# Altium PCB amaya.PcbDoc (part 1 of 2)
Units mm, origin at the board's own origin, x right, y up, seen from the top; angles counter-clockwise.
Board outline 275 x 150 mm, 2 copper layers (Top Layer, Bottom Layer), stack 1.214 mm thick; 156 components, 0 nets, 312 pads, 0 vias.
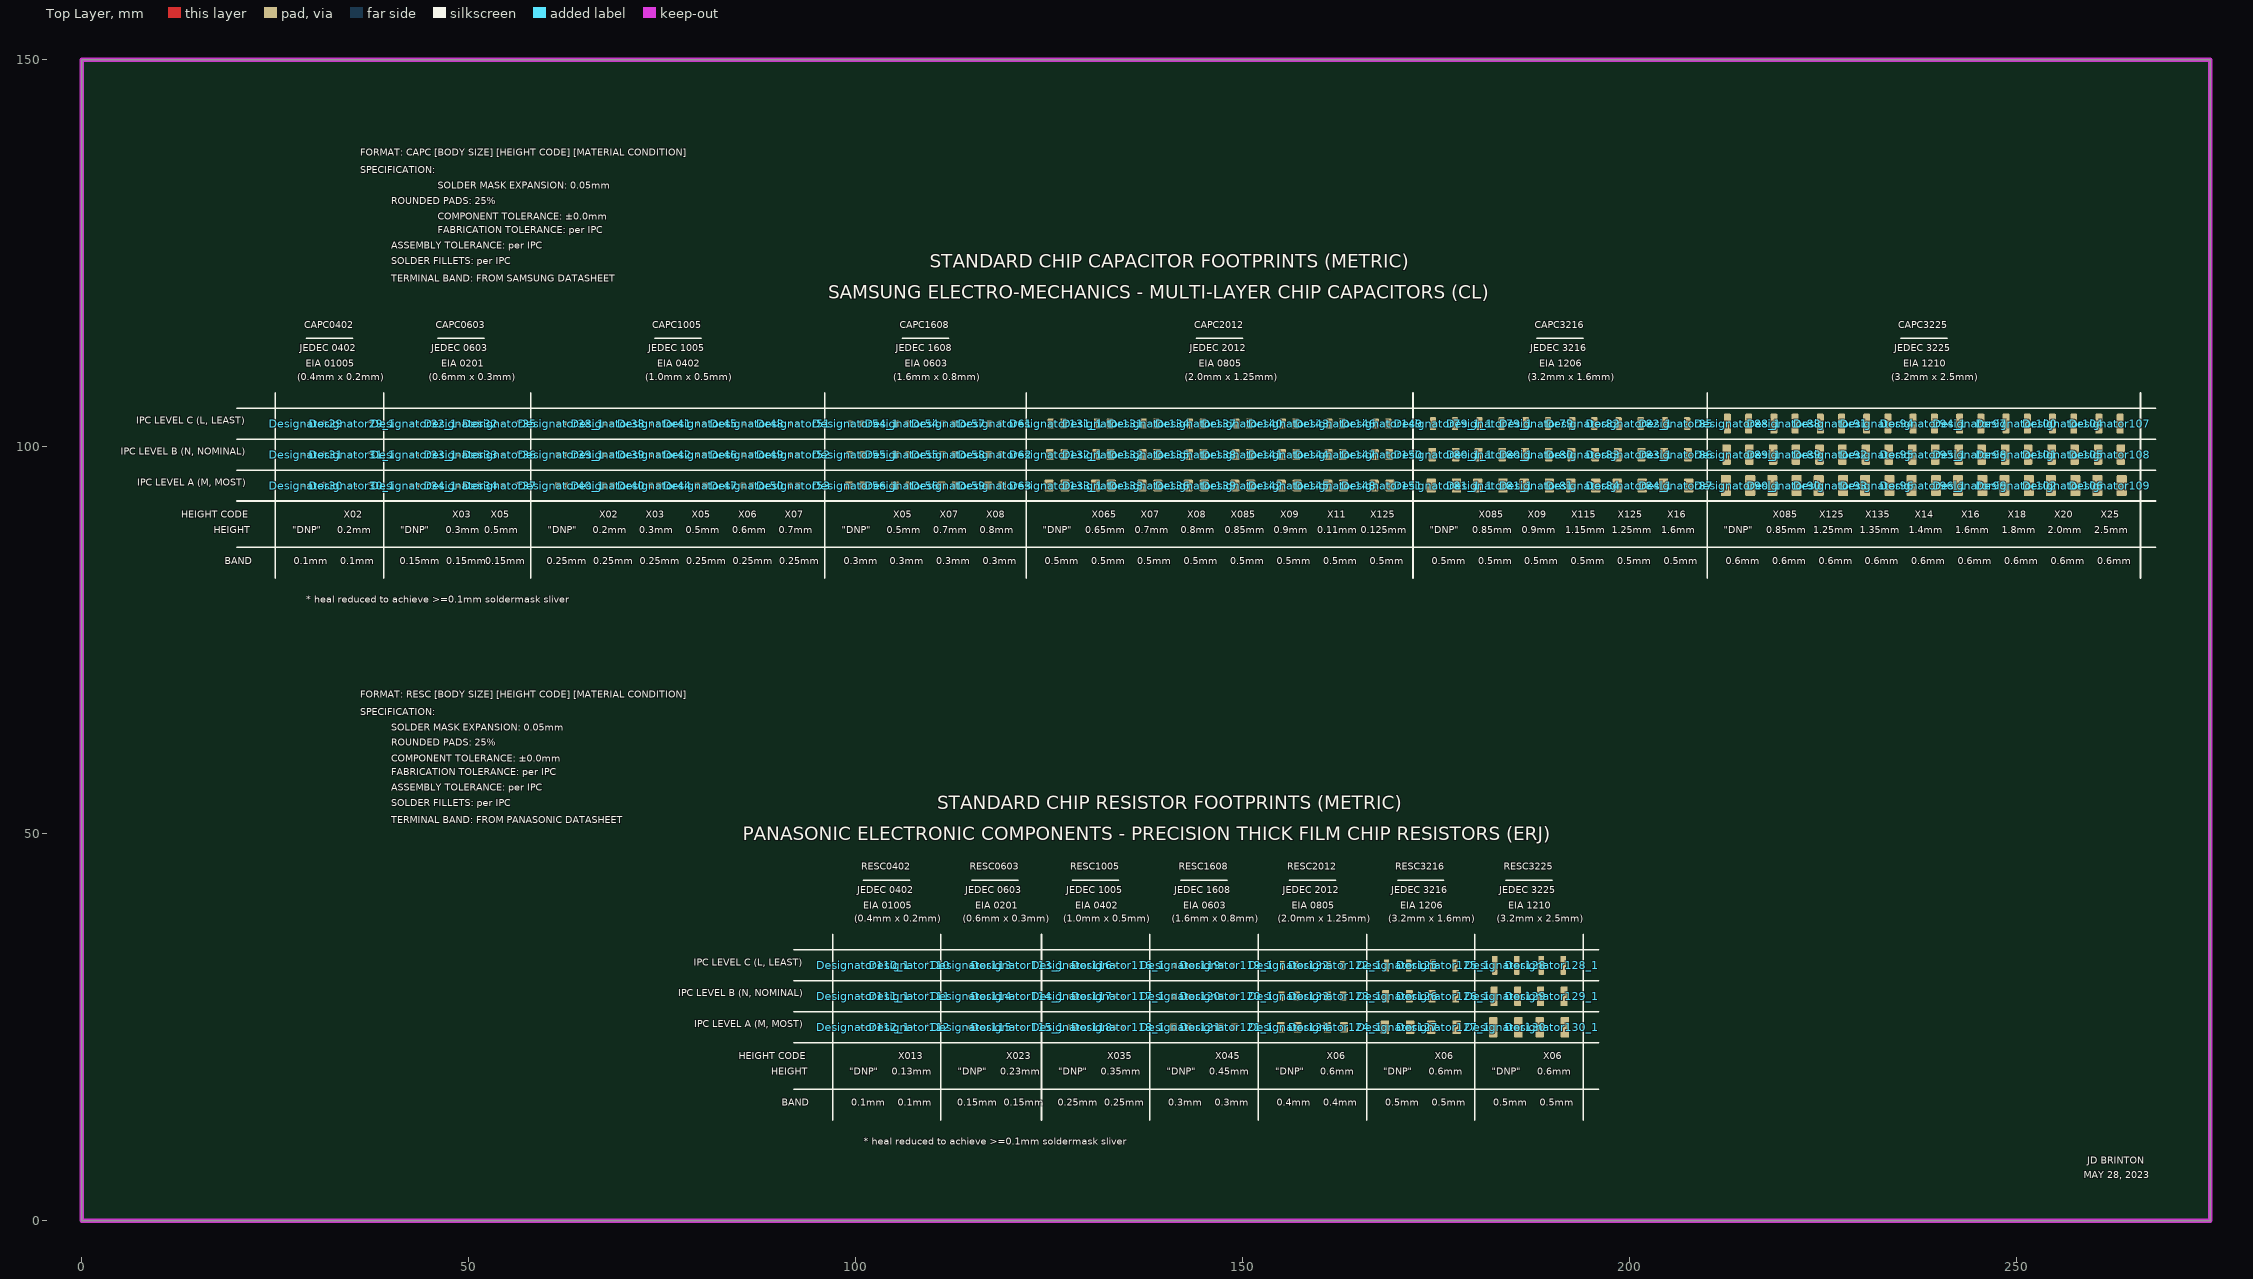
[diagram p0: Top Layer view]
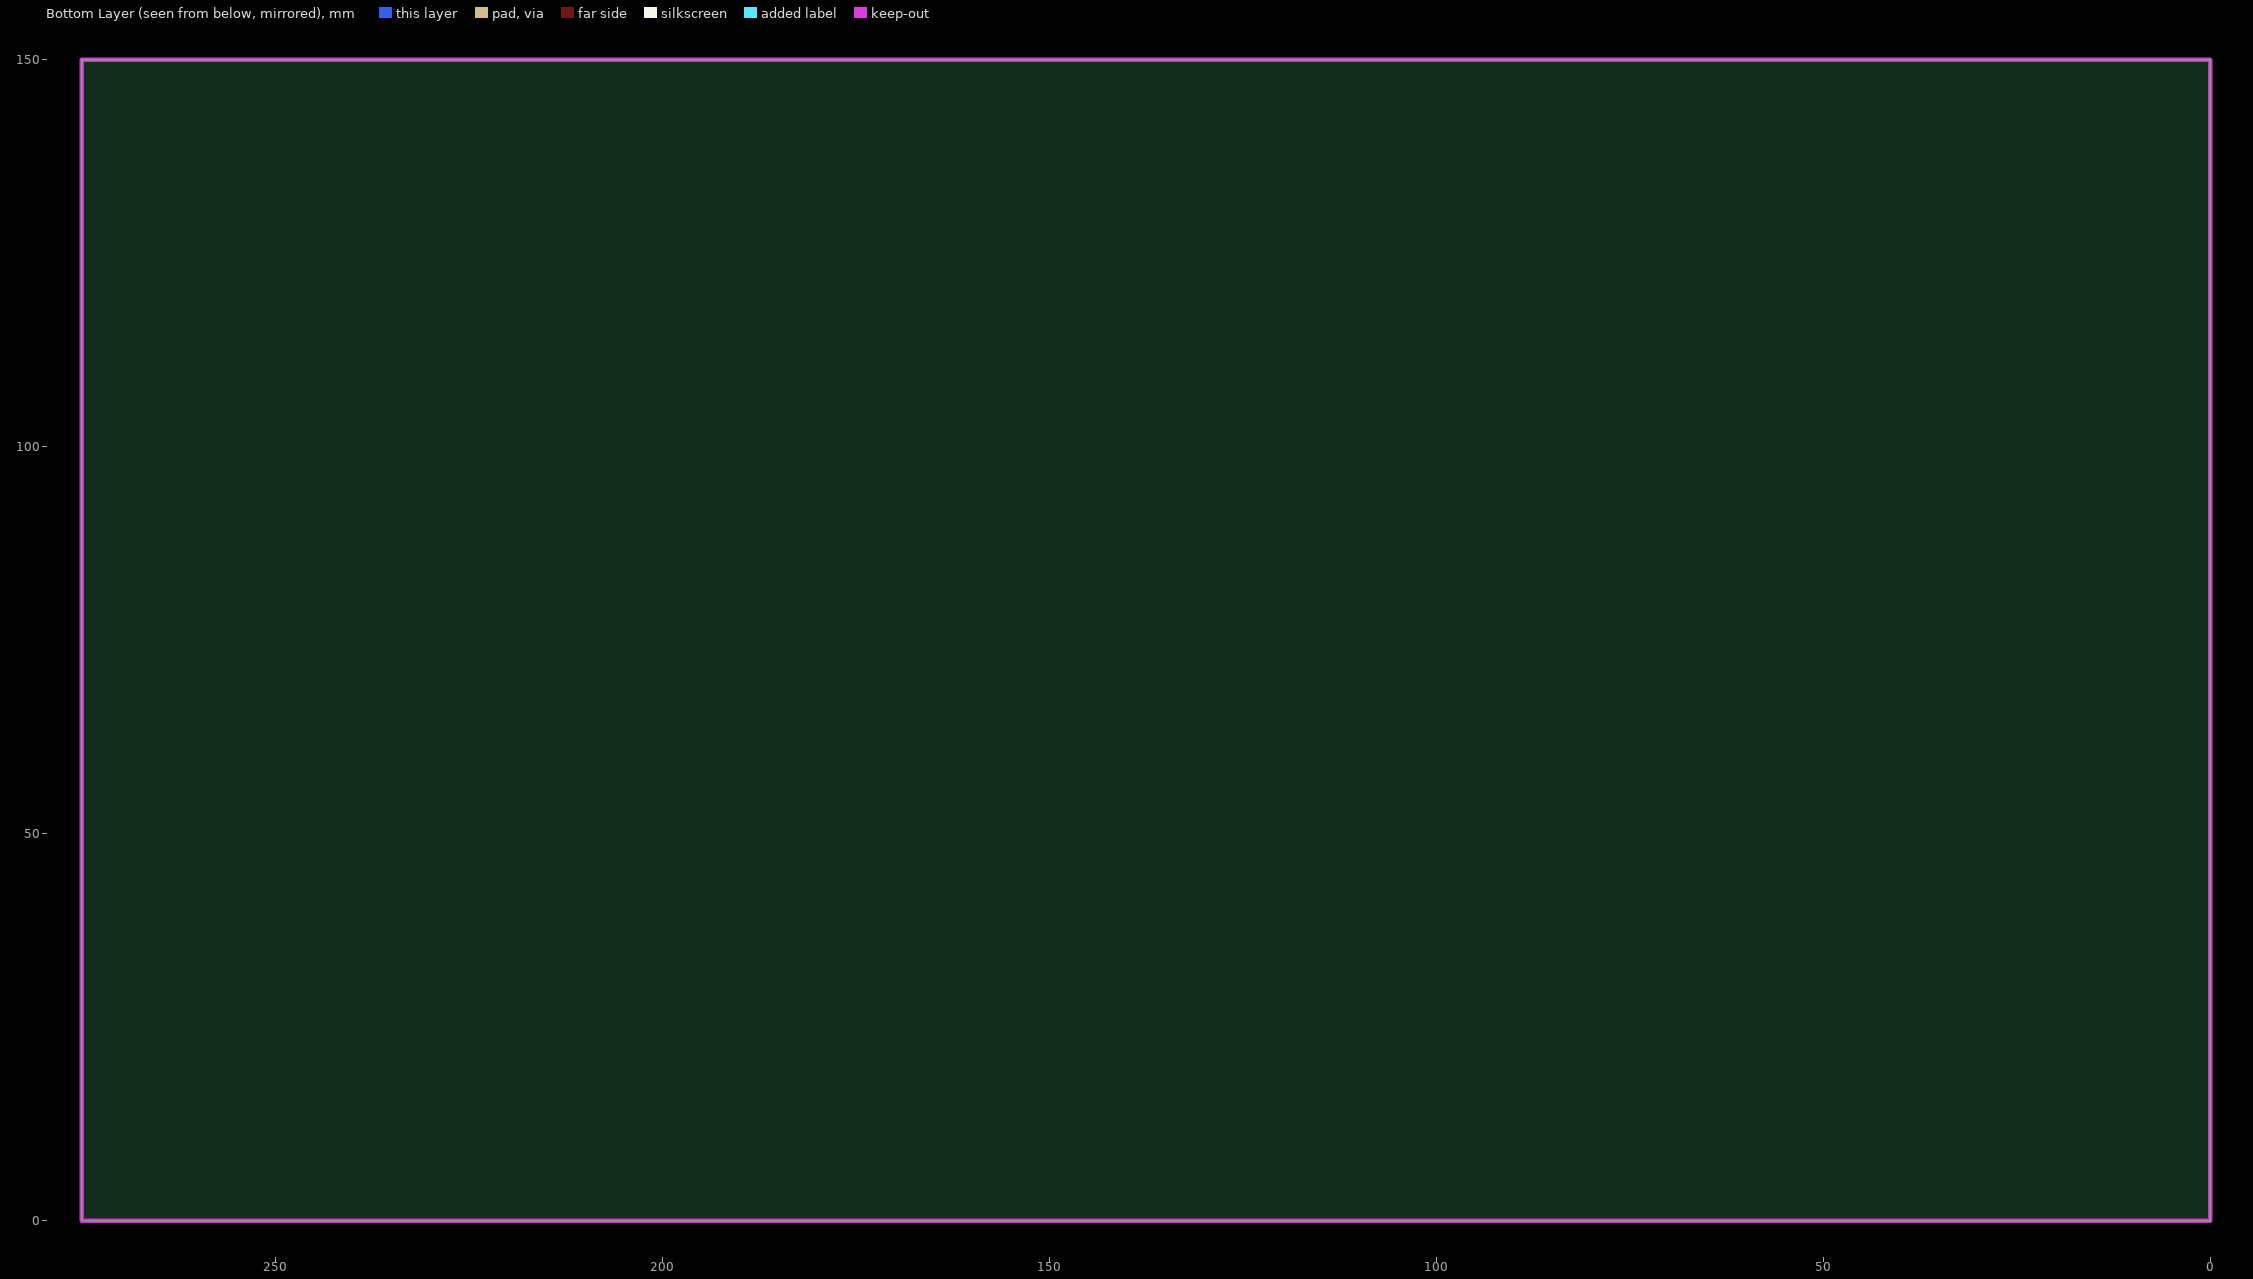
[diagram p1: Bottom Layer view, seen from below]

## Layer stack, top to bottom
Top Solder: solder mask 0.0102, Solder Resist, Dk 3.5
Top Layer: signal copper 0.0356
Dielectric1: core 1.143, FR-4, Dk 4.8
Bottom Layer: signal copper 0.0356
Bottom Solder: solder mask 0.0102, Solder Resist, Dk 3.5

## Board outline
0,0 0,150 275,150 275,0

## Design rules (kind name [scope] priority, off if disabled: settings)
Clearance [All] p1: gap=0.1 ignorepadtopadclearanceinfootprint=FALSE
HoleSize [All] p1: absolutevalues=TRUE maxlimit=25.4 minlimit=0.254 maxpercent=80.000 minpercent=20.000
MinimumAnnularRing [All] p1: minimumring=0.127
MinimumSolderMaskSliver [All] p1: minsoldermaskwidth=0.1
PolygonConnect [All] p1: connectstyle=Direct reliefconductorwidth=0.254 reliefentries=4 polygonreliefangle="90 Angle" airgapwidth=0.254
RoutingVias [All] p1: holewidth=0.254 width=0.508 viastyle="Through Hole" minholewidth=0.254 minwidth=0.508 maxholewidth=0.711 maxwidth=1.27
SilkToSilkClearance [All] p1: silktosilkclearance=0.1
SilkToSolderMaskClearance SilkscreenOverComponentPads [IsPad] p1: minsilkscreentomaskgap=0.1 clearancetoexposedcopper=TRUE
SolderMaskExpansion [All] p1: expansion=0.05 istentingtop=FALSE
Width [All] p1: maxlimit=500 minlimit=0.1 preferedwidth=0.1
26 further rules are at their usual default settings.

## Components (designator, comment, footprint, x,y, rotation, side; value= is the part's Value field where it differs from the comment)
Designator29 "Comment" CAPC0402L 29,103 r0 top
Designator29_1 "Comment" CAPC0402X02L 35,103 r0 top
Designator30 "Comment" CAPC0402M 29,95 r0 top
Designator30_1 "Comment" CAPC0402X02M 35,95 r0 top
Designator31 "Comment" CAPC0402N 29,99 r0 top
Designator31_1 "Comment" CAPC0402X02N 35,99 r0 top
Designator32 "Comment" CAPC0603X03L 49,103 r0 top
Designator32_1 "Comment" CAPC0603L 43,103 r0 top
Designator33 "Comment" CAPC0603X03N 49,99 r0 top
Designator33_1 "Comment" CAPC0603N 43,99 r0 top
Designator34 "Comment" CAPC0603X03M 49,95 r0 top
Designator34_1 "Comment" CAPC0603M 43,95 r0 top
Designator35 "Comment" CAPC0603X05L 54,103 r0 top
Designator36 "Comment" CAPC0603X05N 54,99 r0 top
Designator37 "Comment" CAPC0603X05M 54,95 r0 top
Designator38 "Comment" CAPC1005X02L 68,103 r0 top
Designator38_1 "Comment" CAPC1005L 62,103 r0 top
Designator39 "Comment" CAPC1005X02N 68,99 r0 top
Designator39_1 "Comment" CAPC1005N 62,99 r0 top
Designator40 "Comment" CAPC1005X02M 68,95 r0 top
Designator40_1 "Comment" CAPC1005M 62,95 r0 top
Designator41 "Comment" CAPC1005X03L 74,103 r0 top
Designator42 "Comment" CAPC1005X03N 74,99 r0 top
Designator44 "Comment" CAPC1005X03M 74,95 r0 top
Designator45 "Comment" CAPC1005X05L 80,103 r0 top
Designator46 "Comment" CAPC1005X05N 80,99 r0 top
Designator47 "Comment" CAPC1005X05M 80,95 r0 top
Designator48 "Comment" CAPC1005X06L 86,103 r0 top
Designator49 "Comment" CAPC1005X06N 86,99 r0 top
Designator50 "Comment" CAPC1005X06M 86,95 r0 top
Designator51 "Comment" CAPC1005X07L 92,103 r0 top
Designator52 "Comment" CAPC1005X07N 92,99 r0 top
Designator53 "Comment" CAPC1005X07M 92,95 r0 top
Designator54 "Comment" CAPC1608X05L 106,103 r0 top
Designator54_1 "Comment" CAPC1608L 100.029,102.992 r0 top
Designator55 "Comment" CAPC1608X05N 106,99 r0 top
Designator55_1 "Comment" CAPC1608N 100.029,98.992 r0 top
Designator56 "Comment" CAPC1608X05M 106,95 r0 top
Designator56_1 "Comment" CAPC1608M 100.029,94.992 r0 top
Designator57 "Comment" CAPC1608X07L 112,103 r0 top
Designator58 "Comment" CAPC1608X07N 112,99 r0 top
Designator59 "Comment" CAPC1608X07M 112,95 r0 top
Designator61 "Comment" CAPC1608X08L 118,103 r0 top
Designator62 "Comment" CAPC1608X08N 118,99 r0 top
Designator63 "Comment" CAPC1608X08M 118,95 r0 top
Designator79 "Comment" CAPC3216X09L 188,103 r0 top
Designator79_1 "Comment" CAPC3216X085L 182,103 r0 top
Designator79_1_1 "Comment" CAPC3216L 176,103 r0 top
Designator80 "Comment" CAPC3216X09N 188,99 r0 top
Designator80_1 "Comment" CAPC3216X085N 182,99 r0 top
Designator80_1_1 "Comment" CAPC3216N 176,99 r0 top
Designator81 "Comment" CAPC3216X09M 188,95 r0 top
Designator81_1 "Comment" CAPC3216X085M 182,95 r0 top
Designator81_1_1 "Comment" CAPC3216M 176,95 r0 top
Designator82 "Comment" CAPC3216X115L 194,103 r0 top
Designator82_1 "Comment" CAPC3216X125L 200,103 r0 top
Designator83 "Comment" CAPC3216X115N 194,99 r0 top
Designator83_1 "Comment" CAPC3216X125N 200,99 r0 top
Designator84 "Comment" CAPC3216X115M 194,95 r0 top
Designator84_1 "Comment" CAPC3216X125M 200,95 r0 top
Designator85 "Comment" CAPC3216X16L 206,103 r0 top
Designator86 "Comment" CAPC3216X16N 206,99 r0 top
Designator87 "Comment" CAPC3216X16M 206,95 r0 top
Designator88 "Comment" CAPC3225X085L 220,103 r0 top
Designator88_1 "Comment" CAPC3225L 214,103 r0 top
Designator89 "Comment" CAPC3225X085N 220,99 r0 top
Designator89_1 "Comment" CAPC3225N 214,99 r0 top
Designator90 "Comment" CAPC3225X085M 220,95 r0 top
Designator90_1 "Comment" CAPC3225M 214,95 r0 top
Designator91 "Comment" CAPC3225X125L 226,103 r0 top
Designator92 "Comment" CAPC3225X125N 226,99 r0 top
Designator93 "Comment" CAPC3225X125M 226,95 r0 top
Designator94 "Comment" CAPC3225X135L 232,103 r0 top
Designator94_1 "Comment" CAPC3225X14L 238,103 r0 top
Designator95 "Comment" CAPC3225X135N 232,99 r0 top
Designator95_1 "Comment" CAPC3225X14N 238,99 r0 top
Designator96 "Comment" CAPC3225X135M 232,95 r0 top
Designator96_1 "Comment" CAPC3225X14M 238,95 r0 top
Designator97 "Comment" CAPC3225X16L 244,103 r0 top
Designator98 "Comment" CAPC3225X16N 244,99 r0 top
Designator99 "Comment" CAPC3225X16M 244,95 r0 top
Designator100 "Comment" CAPC3225X18L 250,103 r0 top
Designator101 "Comment" CAPC3225X18N 250,99 r0 top
Designator102 "Comment" CAPC3225X18M 250,95 r0 top
Designator104 "Comment" CAPC3225X20L 256,103 r0 top
Designator105 "Comment" CAPC3225X20N 256,99 r0 top
Designator106 "Comment" CAPC3225X20M 256,95 r0 top
Designator107 "Comment" CAPC3225X25L 262,103 r0 top
Designator108 "Comment" CAPC3225X25N 262,99 r0 top
Designator109 "Comment" CAPC3225X25M 262,95 r0 top
Designator110 "Comment" RESC0402X013L 107,33 r0 top
Designator110_1 "Comment" RESC0402L 101,33 r0 top
Designator111 "Comment" RESC0402X013N 107,29 r0 top
Designator111_1 "Comment" RESC0402N 101,29 r0 top
Designator112 "Comment" RESC0402X013M 107,25 r0 top
Designator112_1 "Comment" RESC0402M 101,25 r0 top
Designator113 "Comment" RESC0603L 115,33 r0 top
Designator113_1 "Comment" RESC0603X023L 121,33 r0 top
Designator114 "Comment" RESC0603N 115,29 r0 top
Designator114_1 "Comment" RESC0603X023N 121,29 r0 top
Designator115 "Comment" RESC0603M 115,25 r0 top
Designator115_1 "Comment" RESC0603X023M 121,25 r0 top
Designator116 "Comment" RESC1005L 128,33 r0 top
Designator116_1 "Comment" RESC1005X035L 134,33 r0 top
Designator117 "Comment" RESC1005N 128,29 r0 top
Designator117_1 "Comment" RESC1005X035N 134,29 r0 top
Designator118 "Comment" RESC1005M 128,25 r0 top
Designator118_1 "Comment" RESC1005X035M 134,25 r0 top
Designator119 "Comment" RESC1608L 142,33 r0 top
Designator119_1 "Comment" RESC1608X045L 148,33 r0 top
Designator120 "Comment" RESC1608N 142,29 r0 top
Designator120_1 "Comment" RESC1608X045N 148,29 r0 top
Designator121 "Comment" RESC1608M 142,25 r0 top
Designator121_1 "Comment" RESC1608X045M 148,25 r0 top
Designator122 "Comment" RESC2012L 156,33 r0 top
Designator122_1 "Comment" RESC2012X06L 162,33 r0 top
Designator123 "Comment" RESC2012N 156,29 r0 top
Designator123_1 "Comment" RESC2012X06N 162,29 r0 top
Designator124 "Comment" RESC2012M 156,25 r0 top
Designator124_1 "Comment" RESC2012X06M 162,25 r0 top
Designator125 "Comment" RESC3216L 170,33 r0 top
Designator125_1 "Comment" RESC3216X06L 176,33 r0 top
Designator126 "Comment" RESC3216N 170,29 r0 top
Designator126_1 "Comment" RESC3216X06N 176,29 r0 top
Designator127 "Comment" RESC3216M 170,25 r0 top
Designator127_1 "Comment" RESC3216X06M 176,25 r0 top
Designator128 "Comment" RESC3225L 184,33 r0 top
Designator128_1 "Comment" RESC3225X06L 190,33 r0 top
Designator129 "Comment" RESC3225N 184,29 r0 top
Designator129_1 "Comment" RESC3225X06N 190,29 r0 top
Designator130 "Comment" RESC3225M 184,25 r0 top
Designator130_1 "Comment" RESC3225X06M 190,25 r0 top
Designator131 "Comment" CAPC2012X065L 132,103 r0 top
Designator131_1 "Comment" CAPC2012L 126,103 r0 top
Designator132 "Comment" CAPC2012X065N 132,99 r0 top
Designator132_1 "Comment" CAPC2012N 126,99 r0 top
Designator133 "Comment" CAPC2012X065M 132,95 r0 top
Designator133_1 "Comment" CAPC2012M 126,95 r0 top
Designator134 "Comment" CAPC2012X07L 138,103 r0 top
Designator135 "Comment" CAPC2012X07N 138,99 r0 top
Designator136 "Comment" CAPC2012X07M 138,95 r0 top
Designator137 "Comment" CAPC2012X08L 144,103 r0 top
Designator138 "Comment" CAPC2012X08N 144,99 r0 top
Designator139 "Comment" CAPC2012X08M 144,95 r0 top
Designator140 "Comment" CAPC2012X085L 150,103 r0 top
Designator141 "Comment" CAPC2012X085N 150,99 r0 top
Designator142 "Comment" CAPC2012X085M 150,95 r0 top
Designator143 "Comment" CAPC2012X09L 156,103 r0 top
Designator144 "Comment" CAPC2012X09N 156,99 r0 top
Designator145 "Comment" CAPC2012X09M 156,95 r0 top
Designator146 "Comment" CAPC2012X11L 162,103 r0 top
Designator147 "Comment" CAPC2012X11N 162,99 r0 top
Designator148 "Comment" CAPC2012X11M 162,95 r0 top
Designator149 "Comment" CAPC2012X125L 168,103 r0 top
Designator150 "Comment" CAPC2012X125N 168,99 r0 top
Designator151 "Comment" CAPC2012X125M 168,95 r0 top

## Footprints (in the part's own frame and the unit in brackets; to place one, negate y for a bottom-side part, rotate by r counter-clockwise, add the part's x,y. Pads: shape width x height; smd on the part's side, far side on the other; paste and mask are expansions set on the pad)
CAPC0402L [mm] "Chip Capacitor, 2-Leads, Body 0.40x0.20mm, IPC High Density"
  rrect25% 0.27x0.24 smd paste-0.12 mask+0.05: 1(-0.235,0) 2(0.235,0)
CAPC0402M [mm] "Chip Capacitor, 2-Leads, Body 0.40x0.20mm, IPC Low Density"
  rrect25% 0.47x0.44 smd paste-0.22 mask+0.05: 1(-0.335,0) 2(0.335,0)
CAPC0402N [mm] "Chip Capacitor, 2-Leads, Body 0.40x0.20mm, IPC Medium Density"
  rrect25% 0.37x0.34 smd paste-0.17 mask+0.05: 1(-0.285,0) 2(0.285,0)
CAPC0402X02L [mm] "Chip Capacitor, 2-Leads, Body 0.40x0.20mm, IPC High Density"
  rrect25% 0.27x0.24 smd mask+0.05: 1(-0.235,0) 2(0.235,0)
  body extent -0.2,-0.1 0.2,0.1, height 0.2
CAPC0402X02M [mm] "Chip Capacitor, 2-Leads, Body 0.40x0.20mm, IPC Low Density"
  rrect25% 0.47x0.44 smd mask+0.05: 1(-0.335,0) 2(0.335,0)
  body extent -0.2,-0.1 0.2,0.1, height 0.2
CAPC0402X02N [mm] "Chip Capacitor, 2-Leads, Body 0.40x0.20mm, IPC Medium Density"
  rrect25% 0.37x0.34 smd mask+0.05: 1(-0.285,0) 2(0.285,0)
  body extent -0.2,-0.1 0.2,0.1, height 0.2
CAPC0603L [mm] "Chip Capacitor, 2-Leads, Body 0.60x0.30mm, IPC High Density"
  rrect25% 0.38x0.34 smd paste-0.17 mask+0.05: 1(-0.29,0) 2(0.29,0)
CAPC0603M [mm] "Chip Capacitor, 2-Leads, Body 0.60x0.30mm, IPC Low Density"
  rrect25% 0.58x0.54 smd paste-0.27 mask+0.05: 1(-0.39,0) 2(0.39,0)
CAPC0603N [mm] "Chip Capacitor, 2-Leads, Body 0.60x0.30mm, IPC Medium Density"
  rrect25% 0.48x0.44 smd paste-0.22 mask+0.05: 1(-0.34,0) 2(0.34,0)
CAPC0603X03L [mm] "Chip Capacitor, 2-Leads, Body 0.60x0.30mm, IPC High Density"
  rrect25% 0.38x0.34 smd mask+0.05: 1(-0.29,0) 2(0.29,0)
  body extent -0.3,-0.15 0.3,0.15, height 0.3
CAPC0603X03M [mm] "Chip Capacitor, 2-Leads, Body 0.60x0.30mm, IPC Low Density"
  rrect25% 0.58x0.54 smd mask+0.05: 1(-0.39,0) 2(0.39,0)
  body extent -0.3,-0.15 0.3,0.15, height 0.3
CAPC0603X03N [mm] "Chip Capacitor, 2-Leads, Body 0.60x0.30mm, IPC Medium Density"
  rrect25% 0.48x0.44 smd mask+0.05: 1(-0.34,0) 2(0.34,0)
  body extent -0.3,-0.15 0.3,0.15, height 0.3
CAPC0603X05L [mm] "Chip Capacitor, 2-Leads, Body 0.60x0.30mm, IPC High Density"
  rrect25% 0.38x0.34 smd mask+0.05: 1(-0.29,0) 2(0.29,0)
  body extent -0.3,-0.15 0.3,0.15, height 0.5
CAPC0603X05M [mm] "Chip Capacitor, 2-Leads, Body 0.60x0.30mm, IPC Low Density"
  rrect25% 0.58x0.54 smd mask+0.05: 1(-0.39,0) 2(0.39,0)
  body extent -0.3,-0.15 0.3,0.15, height 0.5
CAPC0603X05N [mm] "Chip Capacitor, 2-Leads, Body 0.60x0.30mm, IPC Medium Density"
  rrect25% 0.48x0.44 smd mask+0.05: 1(-0.34,0) 2(0.34,0)
  body extent -0.3,-0.15 0.3,0.15, height 0.5
CAPC1005L [mm] "Chip Capacitor, 2-Leads, Body 1.00x0.50mm, IPC High Density"
  rrect25% 0.5x0.54 smd paste-0.25 mask+0.05: 1(-0.43,0) 2(0.43,0)
CAPC1005M [mm] "Chip Capacitor, 2-Leads, Body 1.00x0.50mm, IPC Low Density"
  rrect25% 0.7x0.74 smd paste-0.35 mask+0.05: 1(-0.53,0) 2(0.53,0)
CAPC1005N [mm] "Chip Capacitor, 2-Leads, Body 1.00x0.50mm, IPC Medium Density"
  rrect25% 0.6x0.64 smd paste-0.3 mask+0.05: 1(-0.48,0) 2(0.48,0)
CAPC1005X02L [mm] "Chip Capacitor, 2-Leads, Body 1.00x0.50mm, IPC High Density"
  rrect25% 0.5x0.54 smd mask+0.05: 1(-0.43,0) 2(0.43,0)
  body extent -0.5,-0.25 0.5,0.25, height 0.2
CAPC1005X02M [mm] "Chip Capacitor, 2-Leads, Body 1.00x0.50mm, IPC Low Density"
  rrect25% 0.7x0.74 smd mask+0.05: 1(-0.53,0) 2(0.53,0)
  body extent -0.5,-0.25 0.5,0.25, height 0.2
CAPC1005X02N [mm] "Chip Capacitor, 2-Leads, Body 1.00x0.50mm, IPC Medium Density"
  rrect25% 0.6x0.64 smd mask+0.05: 1(-0.48,0) 2(0.48,0)
  body extent -0.5,-0.25 0.5,0.25, height 0.2
CAPC1005X03L [mm] "Chip Capacitor, 2-Leads, Body 1.00x0.50mm, IPC High Density"
  rrect25% 0.5x0.54 smd mask+0.05: 1(-0.43,0) 2(0.43,0)
  body extent -0.5,-0.25 0.5,0.25, height 0.3
CAPC1005X03M [mm] "Chip Capacitor, 2-Leads, Body 1.00x0.50mm, IPC Low Density"
  rrect25% 0.7x0.74 smd mask+0.05: 1(-0.53,0) 2(0.53,0)
  body extent -0.5,-0.25 0.5,0.25, height 0.3
CAPC1005X03N [mm] "Chip Capacitor, 2-Leads, Body 1.00x0.50mm, IPC Medium Density"
  rrect25% 0.6x0.64 smd mask+0.05: 1(-0.48,0) 2(0.48,0)
  body extent -0.5,-0.25 0.5,0.25, height 0.3
CAPC1005X05L [mm] "Chip Capacitor, 2-Leads, Body 1.00x0.50mm, IPC High Density"
  rrect25% 0.5x0.54 smd mask+0.05: 1(-0.43,0) 2(0.43,0)
  body extent -0.5,-0.25 0.5,0.25, height 0.5
CAPC1005X05M [mm] "Chip Capacitor, 2-Leads, Body 1.00x0.50mm, IPC Low Density"
  rrect25% 0.7x0.74 smd mask+0.05: 1(-0.53,0) 2(0.53,0)
  body extent -0.5,-0.25 0.5,0.25, height 0.5
CAPC1005X05N [mm] "Chip Capacitor, 2-Leads, Body 1.00x0.50mm, IPC Medium Density"
  rrect25% 0.6x0.64 smd mask+0.05: 1(-0.48,0) 2(0.48,0)
  body extent -0.5,-0.25 0.5,0.25, height 0.5
CAPC1005X06L [mm] "Chip Capacitor, 2-Leads, Body 1.00x0.50mm, IPC High Density"
  rrect25% 0.5x0.54 smd mask+0.05: 1(-0.43,0) 2(0.43,0)
  body extent -0.5,-0.25 0.5,0.25, height 0.6
CAPC1005X06M [mm] "Chip Capacitor, 2-Leads, Body 1.00x0.50mm, IPC Low Density"
  rrect25% 0.7x0.74 smd mask+0.05: 1(-0.53,0) 2(0.53,0)
  body extent -0.5,-0.25 0.5,0.25, height 0.6
CAPC1005X06N [mm] "Chip Capacitor, 2-Leads, Body 1.00x0.50mm, IPC Medium Density"
  rrect25% 0.6x0.64 smd mask+0.05: 1(-0.48,0) 2(0.48,0)
  body extent -0.5,-0.25 0.5,0.25, height 0.6
CAPC1005X07L [mm] "Chip Capacitor, 2-Leads, Body 1.00x0.50mm, IPC High Density"
  rrect25% 0.5x0.54 smd mask+0.05: 1(-0.43,0) 2(0.43,0)
  body extent -0.5,-0.25 0.5,0.25, height 0.7
CAPC1005X07M [mm] "Chip Capacitor, 2-Leads, Body 1.00x0.50mm, IPC Low Density"
  rrect25% 0.7x0.74 smd mask+0.05: 1(-0.53,0) 2(0.53,0)
  body extent -0.5,-0.25 0.5,0.25, height 0.7
CAPC1005X07N [mm] "Chip Capacitor, 2-Leads, Body 1.00x0.50mm, IPC Medium Density"
  rrect25% 0.6x0.64 smd mask+0.05: 1(-0.48,0) 2(0.48,0)
  body extent -0.5,-0.25 0.5,0.25, height 0.7
CAPC1608L [mm] "Chip Capacitor, 2-Leads, Body 1.60x0.80mm, IPC High Density"
  rrect25% 0.6x0.85 smd paste-0.3 mask+0.05: 1(-0.725,0) 2(0.725,0)
CAPC1608M [mm] "Chip Capacitor, 2-Leads, Body 1.60x0.80mm, IPC Low Density"
  rrect25% 1x1.05 smd paste-0.5 mask+0.05: 1(-0.925,0) 2(0.925,0)
CAPC1608N [mm] "Chip Capacitor, 2-Leads, Body 1.60x0.80mm, IPC Medium Density"
  rrect25% 0.8x0.95 smd paste-0.4 mask+0.05: 1(-0.825,0) 2(0.825,0)
CAPC1608X05L [mm] "Chip Capacitor, 2-Leads, Body 1.60x0.80mm, IPC High Density"
  rrect25% 0.6x0.85 smd mask+0.05: 1(-0.725,0) 2(0.725,0)
  body extent -0.8,-0.4 0.8,0.4, height 0.5
CAPC1608X05M [mm] "Chip Capacitor, 2-Leads, Body 1.60x0.80mm, IPC Low Density"
  rrect25% 1x1.05 smd mask+0.05: 1(-0.925,0) 2(0.925,0)
  body extent -0.8,-0.4 0.8,0.4, height 0.5
CAPC1608X05N [mm] "Chip Capacitor, 2-Leads, Body 1.60x0.80mm, IPC Medium Density"
  rrect25% 0.8x0.95 smd mask+0.05: 1(-0.825,0) 2(0.825,0)
  body extent -0.8,-0.4 0.8,0.4, height 0.5
CAPC1608X07L [mm] "Chip Capacitor, 2-Leads, Body 1.60x0.80mm, IPC High Density"
  rrect25% 0.6x0.85 smd mask+0.05: 1(-0.725,0) 2(0.725,0)
  body extent -0.8,-0.4 0.8,0.4, height 0.7
CAPC1608X07M [mm] "Chip Capacitor, 2-Leads, Body 1.60x0.80mm, IPC Low Density"
  rrect25% 1x1.05 smd mask+0.05: 1(-0.925,0) 2(0.925,0)
  body extent -0.8,-0.4 0.8,0.4, height 0.7
CAPC1608X07N [mm] "Chip Capacitor, 2-Leads, Body 1.60x0.80mm, IPC Medium Density"
  rrect25% 0.8x0.95 smd mask+0.05: 1(-0.825,0) 2(0.825,0)
  body extent -0.8,-0.4 0.8,0.4, height 0.7
CAPC1608X08L [mm] "Chip Capacitor, 2-Leads, Body 1.60x0.80mm, IPC High Density"
  rrect25% 0.6x0.85 smd mask+0.05: 1(-0.725,0) 2(0.725,0)
  body extent -0.8,-0.4 0.8,0.4, height 0.8
CAPC1608X08M [mm] "Chip Capacitor, 2-Leads, Body 1.60x0.80mm, IPC Low Density"
  rrect25% 1x1.05 smd mask+0.05: 1(-0.925,0) 2(0.925,0)
  body extent -0.8,-0.4 0.8,0.4, height 0.8
CAPC1608X08N [mm] "Chip Capacitor, 2-Leads, Body 1.60x0.80mm, IPC Medium Density"
  rrect25% 0.8x0.95 smd mask+0.05: 1(-0.825,0) 2(0.825,0)
  body extent -0.8,-0.4 0.8,0.4, height 0.8
CAPC2012L [mm] "Chip Capacitor, 2-Leads, Body 2.00x1.25mm, IPC High Density"
  rrect25% 0.8x1.3 smd paste-0.4 mask+0.05: 1(-0.825,0) 2(0.825,0)
CAPC2012M [mm] "Chip Capacitor, 2-Leads, Body 2.00x1.25mm, IPC Low Density"
  rrect25% 1.2x1.5 smd paste-0.6 mask+0.05: 1(-1.025,0) 2(1.025,0)
CAPC2012N [mm] "Chip Capacitor, 2-Leads, Body 2.00x1.25mm, IPC Medium Density"
  rrect25% 1x1.4 smd paste-0.5 mask+0.05: 1(-0.925,0) 2(0.925,0)
CAPC2012X07L [mm] "Chip Capacitor, 2-Leads, Body 2.00x1.25mm, IPC High Density"
  rrect25% 0.8x1.3 smd mask+0.05: 1(-0.825,0) 2(0.825,0)
  body extent -1,-0.63 1,0.63, height 0.7
CAPC2012X07M [mm] "Chip Capacitor, 2-Leads, Body 2.00x1.25mm, IPC Low Density"
  rrect25% 1.2x1.5 smd mask+0.05: 1(-1.025,0) 2(1.025,0)
  body extent -1,-0.63 1,0.63, height 0.7
CAPC2012X07N [mm] "Chip Capacitor, 2-Leads, Body 2.00x1.25mm, IPC Medium Density"
  rrect25% 1x1.4 smd mask+0.05: 1(-0.925,0) 2(0.925,0)
  body extent -1,-0.63 1,0.63, height 0.7
CAPC2012X08L [mm] "Chip Capacitor, 2-Leads, Body 2.00x1.25mm, IPC High Density"
  rrect25% 0.8x1.3 smd mask+0.05: 1(-0.825,0) 2(0.825,0)
  body extent -1,-0.63 1,0.63, height 0.8
CAPC2012X08M [mm] "Chip Capacitor, 2-Leads, Body 2.00x1.25mm, IPC Low Density"
  rrect25% 1.2x1.5 smd mask+0.05: 1(-1.025,0) 2(1.025,0)
  body extent -1,-0.63 1,0.63, height 0.8
CAPC2012X08N [mm] "Chip Capacitor, 2-Leads, Body 2.00x1.25mm, IPC Medium Density"
  rrect25% 1x1.4 smd mask+0.05: 1(-0.925,0) 2(0.925,0)
  body extent -1,-0.63 1,0.63, height 0.8
CAPC2012X09L [mm] "Chip Capacitor, 2-Leads, Body 2.00x1.25mm, IPC High Density"
  rrect25% 0.8x1.3 smd mask+0.05: 1(-0.825,0) 2(0.825,0)
  body extent -1,-0.63 1,0.63, height 0.9
CAPC2012X09M [mm] "Chip Capacitor, 2-Leads, Body 2.00x1.25mm, IPC Low Density"
  rrect25% 1.2x1.5 smd mask+0.05: 1(-1.025,0) 2(1.025,0)
  body extent -1,-0.63 1,0.63, height 0.9
CAPC2012X09N [mm] "Chip Capacitor, 2-Leads, Body 2.00x1.25mm, IPC Medium Density"
  rrect25% 1x1.4 smd mask+0.05: 1(-0.925,0) 2(0.925,0)
  body extent -1,-0.63 1,0.63, height 0.9
CAPC2012X11L [mm] "Chip Capacitor, 2-Leads, Body 2.00x1.25mm, IPC High Density"
  rrect25% 0.8x1.3 smd mask+0.05: 1(-0.825,0) 2(0.825,0)
  body extent -1,-0.63 1,0.63, height 1.1
CAPC2012X11M [mm] "Chip Capacitor, 2-Leads, Body 2.00x1.25mm, IPC Low Density"
  rrect25% 1.2x1.5 smd mask+0.05: 1(-1.025,0) 2(1.025,0)
  body extent -1,-0.63 1,0.63, height 1.1
CAPC2012X11N [mm] "Chip Capacitor, 2-Leads, Body 2.00x1.25mm, IPC Medium Density"
  rrect25% 1x1.4 smd mask+0.05: 1(-0.925,0) 2(0.925,0)
  body extent -1,-0.63 1,0.63, height 1.1
CAPC2012X065L [mm] "Chip Capacitor, 2-Leads, Body 2.00x1.25mm, IPC High Density"
  rrect25% 0.8x1.3 smd mask+0.05: 1(-0.825,0) 2(0.825,0)
  body extent -1,-0.63 1,0.63, height 0.65
CAPC2012X065M [mm] "Chip Capacitor, 2-Leads, Body 2.00x1.25mm, IPC Low Density"
  rrect25% 1.2x1.5 smd mask+0.05: 1(-1.025,0) 2(1.025,0)
  body extent -1,-0.63 1,0.63, height 0.65
CAPC2012X065N [mm] "Chip Capacitor, 2-Leads, Body 2.00x1.25mm, IPC Medium Density"
  rrect25% 1x1.4 smd mask+0.05: 1(-0.925,0) 2(0.925,0)
  body extent -1,-0.63 1,0.63, height 0.65
CAPC2012X085L [mm] "Chip Capacitor, 2-Leads, Body 2.00x1.25mm, IPC High Density"
  rrect25% 0.8x1.3 smd mask+0.05: 1(-0.825,0) 2(0.825,0)
  body extent -1,-0.63 1,0.63, height 0.85
CAPC2012X085M [mm] "Chip Capacitor, 2-Leads, Body 2.00x1.25mm, IPC Low Density"
  rrect25% 1.2x1.5 smd mask+0.05: 1(-1.025,0) 2(1.025,0)
  body extent -1,-0.63 1,0.63, height 0.85
CAPC2012X085N [mm] "Chip Capacitor, 2-Leads, Body 2.00x1.25mm, IPC Medium Density"
  rrect25% 1x1.4 smd mask+0.05: 1(-0.925,0) 2(0.925,0)
  body extent -1,-0.63 1,0.63, height 0.85
CAPC2012X125L [mm] "Chip Capacitor, 2-Leads, Body 2.00x1.25mm, IPC High Density"
  rrect25% 0.8x1.3 smd mask+0.05: 1(-0.825,0) 2(0.825,0)
  body extent -1,-0.63 1,0.63, height 1.25
CAPC2012X125M [mm] "Chip Capacitor, 2-Leads, Body 2.00x1.25mm, IPC Low Density"
  rrect25% 1.2x1.5 smd mask+0.05: 1(-1.025,0) 2(1.025,0)
  body extent -1,-0.63 1,0.63, height 1.25
CAPC2012X125N [mm] "Chip Capacitor, 2-Leads, Body 2.00x1.25mm, IPC Medium Density"
  rrect25% 1x1.4 smd mask+0.05: 1(-0.925,0) 2(0.925,0)
  body extent -1,-0.63 1,0.63, height 1.25
CAPC3216L [mm] "Chip Capacitor, 2-Leads, Body 3.20x1.60mm, IPC High Density"
  rrect25% 0.8x1.65 smd paste-0.4 mask+0.05: 1(-1.425,0) 2(1.425,0)
CAPC3216M [mm] "Chip Capacitor, 2-Leads, Body 3.20x1.60mm, IPC Low Density"
  rrect25% 1.2x1.85 smd paste-0.6 mask+0.05: 1(-1.625,0) 2(1.625,0)
CAPC3216N [mm] "Chip Capacitor, 2-Leads, Body 3.20x1.60mm, IPC Medium Density"
  rrect25% 1x1.75 smd paste-0.5 mask+0.05: 1(-1.525,0) 2(1.525,0)
CAPC3216X09L [mm] "Chip Capacitor, 2-Leads, Body 3.20x1.60mm, IPC High Density"
  rrect25% 0.8x1.65 smd mask+0.05: 1(-1.425,0) 2(1.425,0)
  body extent -1.6,-0.8 1.6,0.8, height 0.9
CAPC3216X09M [mm] "Chip Capacitor, 2-Leads, Body 3.20x1.60mm, IPC Low Density"
  rrect25% 1.2x1.85 smd mask+0.05: 1(-1.625,0) 2(1.625,0)
  body extent -1.6,-0.8 1.6,0.8, height 0.9
CAPC3216X09N [mm] "Chip Capacitor, 2-Leads, Body 3.20x1.60mm, IPC Medium Density"
  rrect25% 1x1.75 smd mask+0.05: 1(-1.525,0) 2(1.525,0)
  body extent -1.6,-0.8 1.6,0.8, height 0.9
CAPC3216X16L [mm] "Chip Capacitor, 2-Leads, Body 3.20x1.60mm, IPC High Density"
  rrect25% 0.8x1.65 smd mask+0.05: 1(-1.425,0) 2(1.425,0)
  body extent -1.6,-0.8 1.6,0.8, height 1.6
CAPC3216X16M [mm] "Chip Capacitor, 2-Leads, Body 3.20x1.60mm, IPC Low Density"
  rrect25% 1.2x1.85 smd mask+0.05: 1(-1.625,0) 2(1.625,0)
  body extent -1.6,-0.8 1.6,0.8, height 1.6
CAPC3216X16N [mm] "Chip Capacitor, 2-Leads, Body 3.20x1.60mm, IPC Medium Density"
  rrect25% 1x1.75 smd mask+0.05: 1(-1.525,0) 2(1.525,0)
  body extent -1.6,-0.8 1.6,0.8, height 1.6
CAPC3216X085L [mm] "Chip Capacitor, 2-Leads, Body 3.20x1.60mm, IPC High Density"
  rrect25% 0.8x1.65 smd mask+0.05: 1(-1.425,0) 2(1.425,0)
  body extent -1.6,-0.8 1.6,0.8, height 0.85
CAPC3216X085M [mm] "Chip Capacitor, 2-Leads, Body 3.20x1.60mm, IPC Low Density"
  rrect25% 1.2x1.85 smd mask+0.05: 1(-1.625,0) 2(1.625,0)
  body extent -1.6,-0.8 1.6,0.8, height 0.85
CAPC3216X085N [mm] "Chip Capacitor, 2-Leads, Body 3.20x1.60mm, IPC Medium Density"
  rrect25% 1x1.75 smd mask+0.05: 1(-1.525,0) 2(1.525,0)
  body extent -1.6,-0.8 1.6,0.8, height 0.85
CAPC3216X115L [mm] "Chip Capacitor, 2-Leads, Body 3.20x1.60mm, IPC High Density"
  rrect25% 0.8x1.65 smd mask+0.05: 1(-1.425,0) 2(1.425,0)
  body extent -1.6,-0.8 1.6,0.8, height 1.15
CAPC3216X115M [mm] "Chip Capacitor, 2-Leads, Body 3.20x1.60mm, IPC Low Density"
  rrect25% 1.2x1.85 smd mask+0.05: 1(-1.625,0) 2(1.625,0)
  body extent -1.6,-0.8 1.6,0.8, height 1.15
CAPC3216X115N [mm] "Chip Capacitor, 2-Leads, Body 3.20x1.60mm, IPC Medium Density"
  rrect25% 1x1.75 smd mask+0.05: 1(-1.525,0) 2(1.525,0)
  body extent -1.6,-0.8 1.6,0.8, height 1.15
CAPC3216X125L [mm] "Chip Capacitor, 2-Leads, Body 3.20x1.60mm, IPC High Density"
  rrect25% 0.8x1.65 smd mask+0.05: 1(-1.425,0) 2(1.425,0)
  body extent -1.6,-0.8 1.6,0.8, height 1.25
CAPC3216X125M [mm] "Chip Capacitor, 2-Leads, Body 3.20x1.60mm, IPC Low Density"
  rrect25% 1.2x1.85 smd mask+0.05: 1(-1.625,0) 2(1.625,0)
  body extent -1.6,-0.8 1.6,0.8, height 1.25
CAPC3216X125N [mm] "Chip Capacitor, 2-Leads, Body 3.20x1.60mm, IPC Medium Density"
  rrect25% 1x1.75 smd mask+0.05: 1(-1.525,0) 2(1.525,0)
  body extent -1.6,-0.8 1.6,0.8, height 1.25
CAPC3225L [mm] "Chip Capacitor, 2-Leads, Body 3.20x2.50mm, IPC High Density"
  rrect25% 0.9x2.55 smd paste-0.45 mask+0.05: 1(-1.375,0) 2(1.375,0)
CAPC3225M [mm] "Chip Capacitor, 2-Leads, Body 3.20x2.50mm, IPC Low Density"
  rrect25% 1.3x2.75 smd paste-0.65 mask+0.05: 1(-1.575,0) 2(1.575,0)
CAPC3225N [mm] "Chip Capacitor, 2-Leads, Body 3.20x2.50mm, IPC Medium Density"
  rrect25% 1.1x2.65 smd paste-0.55 mask+0.05: 1(-1.475,0) 2(1.475,0)
CAPC3225X14L [mm] "Chip Capacitor, 2-Leads, Body 3.20x2.50mm, IPC High Density"
  rrect25% 0.9x2.55 smd mask+0.05: 1(-1.375,0) 2(1.375,0)
  body extent -1.6,-1.25 1.6,1.25, height 1.4
CAPC3225X14M [mm] "Chip Capacitor, 2-Leads, Body 3.20x2.50mm, IPC Low Density"
  rrect25% 1.3x2.75 smd mask+0.05: 1(-1.575,0) 2(1.575,0)
  body extent -1.6,-1.25 1.6,1.25, height 1.4
CAPC3225X14N [mm] "Chip Capacitor, 2-Leads, Body 3.20x2.50mm, IPC Medium Density"
  rrect25% 1.1x2.65 smd mask+0.05: 1(-1.475,0) 2(1.475,0)
  body extent -1.6,-1.25 1.6,1.25, height 1.4
CAPC3225X16L [mm] "Chip Capacitor, 2-Leads, Body 3.20x2.50mm, IPC High Density"
  rrect25% 0.9x2.55 smd mask+0.05: 1(-1.375,0) 2(1.375,0)
  body extent -1.6,-1.25 1.6,1.25, height 1.6
CAPC3225X16M [mm] "Chip Capacitor, 2-Leads, Body 3.20x2.50mm, IPC Low Density"
  rrect25% 1.3x2.75 smd mask+0.05: 1(-1.575,0) 2(1.575,0)
  body extent -1.6,-1.25 1.6,1.25, height 1.6
CAPC3225X16N [mm] "Chip Capacitor, 2-Leads, Body 3.20x2.50mm, IPC Medium Density"
  rrect25% 1.1x2.65 smd mask+0.05: 1(-1.475,0) 2(1.475,0)
  body extent -1.6,-1.25 1.6,1.25, height 1.6
CAPC3225X18L [mm] "Chip Capacitor, 2-Leads, Body 3.20x2.50mm, IPC High Density"
  rrect25% 0.9x2.55 smd mask+0.05: 1(-1.375,0) 2(1.375,0)
  body extent -1.6,-1.25 1.6,1.25, height 1.8
CAPC3225X18M [mm] "Chip Capacitor, 2-Leads, Body 3.20x2.50mm, IPC Low Density"
  rrect25% 1.3x2.75 smd mask+0.05: 1(-1.575,0) 2(1.575,0)
  body extent -1.6,-1.25 1.6,1.25, height 1.8
CAPC3225X18N [mm] "Chip Capacitor, 2-Leads, Body 3.20x2.50mm, IPC Medium Density"
  rrect25% 1.1x2.65 smd mask+0.05: 1(-1.475,0) 2(1.475,0)
  body extent -1.6,-1.25 1.6,1.25, height 1.8
CAPC3225X20L [mm] "Chip Capacitor, 2-Leads, Body 3.20x2.50mm, IPC High Density"
  rrect25% 0.9x2.55 smd mask+0.05: 1(-1.375,0) 2(1.375,0)
  body extent -1.6,-1.25 1.6,1.25, height 2
CAPC3225X20M [mm] "Chip Capacitor, 2-Leads, Body 3.20x2.50mm, IPC Low Density"
  rrect25% 1.3x2.75 smd mask+0.05: 1(-1.575,0) 2(1.575,0)
  body extent -1.6,-1.25 1.6,1.25, height 2
CAPC3225X20N [mm] "Chip Capacitor, 2-Leads, Body 3.20x2.50mm, IPC Medium Density"
  rrect25% 1.1x2.65 smd mask+0.05: 1(-1.475,0) 2(1.475,0)
  body extent -1.6,-1.25 1.6,1.25, height 2
CAPC3225X25L [mm] "Chip Capacitor, 2-Leads, Body 3.20x2.50mm, IPC High Density"
  rrect25% 0.9x2.55 smd mask+0.05: 1(-1.375,0) 2(1.375,0)
  body extent -1.6,-1.25 1.6,1.25, height 2.5
CAPC3225X25M [mm] "Chip Capacitor, 2-Leads, Body 3.20x2.50mm, IPC Low Density"
  rrect25% 1.3x2.75 smd mask+0.05: 1(-1.575,0) 2(1.575,0)
  body extent -1.6,-1.25 1.6,1.25, height 2.5
CAPC3225X25N [mm] "Chip Capacitor, 2-Leads, Body 3.20x2.50mm, IPC Medium Density"
  rrect25% 1.1x2.65 smd mask+0.05: 1(-1.475,0) 2(1.475,0)
  body extent -1.6,-1.25 1.6,1.25, height 2.5
CAPC3225X085L [mm] "Chip Capacitor, 2-Leads, Body 3.20x2.50mm, IPC High Density"
  rrect25% 0.9x2.55 smd mask+0.05: 1(-1.375,0) 2(1.375,0)
  body extent -1.6,-1.25 1.6,1.25, height 0.85
CAPC3225X085M [mm] "Chip Capacitor, 2-Leads, Body 3.20x2.50mm, IPC Low Density"
  rrect25% 1.3x2.75 smd mask+0.05: 1(-1.575,0) 2(1.575,0)
  body extent -1.6,-1.25 1.6,1.25, height 0.85
CAPC3225X085N [mm] "Chip Capacitor, 2-Leads, Body 3.20x2.50mm, IPC Medium Density"
  rrect25% 1.1x2.65 smd mask+0.05: 1(-1.475,0) 2(1.475,0)
  body extent -1.6,-1.25 1.6,1.25, height 0.85
CAPC3225X125L [mm] "Chip Capacitor, 2-Leads, Body 3.20x2.50mm, IPC High Density"
  rrect25% 0.9x2.55 smd mask+0.05: 1(-1.375,0) 2(1.375,0)
  body extent -1.6,-1.25 1.6,1.25, height 1.25
CAPC3225X125M [mm] "Chip Capacitor, 2-Leads, Body 3.20x2.50mm, IPC Low Density"
  rrect25% 1.3x2.75 smd mask+0.05: 1(-1.575,0) 2(1.575,0)
  body extent -1.6,-1.25 1.6,1.25, height 1.25
CAPC3225X125N [mm] "Chip Capacitor, 2-Leads, Body 3.20x2.50mm, IPC Medium Density"
  rrect25% 1.1x2.65 smd mask+0.05: 1(-1.475,0) 2(1.475,0)
  body extent -1.6,-1.25 1.6,1.25, height 1.25
CAPC3225X135L [mm] "Chip Capacitor, 2-Leads, Body 3.20x2.50mm, IPC High Density"
  rrect25% 0.9x2.55 smd mask+0.05: 1(-1.375,0) 2(1.375,0)
  body extent -1.6,-1.25 1.6,1.25, height 1.35
CAPC3225X135M [mm] "Chip Capacitor, 2-Leads, Body 3.20x2.50mm, IPC Low Density"
  rrect25% 1.3x2.75 smd mask+0.05: 1(-1.575,0) 2(1.575,0)
  body extent -1.6,-1.25 1.6,1.25, height 1.35
CAPC3225X135N [mm] "Chip Capacitor, 2-Leads, Body 3.20x2.50mm, IPC Medium Density"
  rrect25% 1.1x2.65 smd mask+0.05: 1(-1.475,0) 2(1.475,0)
  body extent -1.6,-1.25 1.6,1.25, height 1.35
RESC0402L [mm] "Chip Resistor, 2-Leads, Body 0.40x0.20mm, IPC High Density"
  rrect25% 0.225x0.15 smd paste-0.075 mask+0.05: 1(-0.213,0) 2(0.213,0)
RESC0402M [mm] "Chip Resistor, 2-Leads, Body 0.40x0.20mm, IPC Low Density"
  rrect25% 0.425x0.35 smd paste-0.175 mask+0.05: 1(-0.313,0) 2(0.313,0)
RESC0402N [mm] "Chip Resistor, 2-Leads, Body 0.40x0.20mm, IPC Medium Density"
  rrect25% 0.325x0.25 smd paste-0.125 mask+0.05: 1(-0.263,0) 2(0.263,0)
RESC0402X013L [mm] "Chip Resistor, 2-Leads, Body 0.40x0.20mm, IPC High Density"
  rrect25% 0.225x0.15 smd mask+0.05: 1(-0.213,0) 2(0.213,0)
  body extent -0.2,-0.1 0.2,0.1, height 0.13
RESC0402X013M [mm] "Chip Resistor, 2-Leads, Body 0.40x0.20mm, IPC Low Density"
  rrect25% 0.425x0.35 smd mask+0.05: 1(-0.313,0) 2(0.313,0)
  body extent -0.2,-0.1 0.2,0.1, height 0.13
RESC0402X013N [mm] "Chip Resistor, 2-Leads, Body 0.40x0.20mm, IPC Medium Density"
  rrect25% 0.325x0.25 smd mask+0.05: 1(-0.263,0) 2(0.263,0)
  body extent -0.2,-0.1 0.2,0.1, height 0.13
RESC0603L [mm] "Chip Resistor, 2-Leads, Body 0.60x0.30mm, IPC High Density"
  rrect25% 0.3x0.25 smd paste-0.125 mask+0.05: 1(-0.275,0) 2(0.275,0)
RESC0603M [mm] "Chip Resistor, 2-Leads, Body 0.60x0.30mm, IPC Low Density"
  rrect25% 0.5x0.45 smd paste-0.225 mask+0.05: 1(-0.375,0) 2(0.375,0)
RESC0603N [mm] "Chip Resistor, 2-Leads, Body 0.60x0.30mm, IPC Medium Density"
  rrect25% 0.4x0.35 smd paste-0.175 mask+0.05: 1(-0.325,0) 2(0.325,0)
RESC0603X023L [mm] "Chip Resistor, 2-Leads, Body 0.60x0.30mm, IPC High Density"
  rrect25% 0.3x0.25 smd mask+0.05: 1(-0.275,0) 2(0.275,0)
  body extent -0.3,-0.15 0.3,0.15, height 0.23
RESC0603X023M [mm] "Chip Resistor, 2-Leads, Body 0.60x0.30mm, IPC Low Density"
  rrect25% 0.5x0.45 smd mask+0.05: 1(-0.375,0) 2(0.375,0)
  body extent -0.3,-0.15 0.3,0.15, height 0.23
RESC0603X023N [mm] "Chip Resistor, 2-Leads, Body 0.60x0.30mm, IPC Medium Density"
  rrect25% 0.4x0.35 smd mask+0.05: 1(-0.325,0) 2(0.325,0)
  body extent -0.3,-0.15 0.3,0.15, height 0.23
RESC1005L [mm] "Chip Resistor, 2-Leads, Body 1.00x0.50mm, IPC High Density"
  rrect25% 0.4x0.45 smd paste-0.2 mask+0.05: 1(-0.425,0) 2(0.425,0)
RESC1005M [mm] "Chip Resistor, 2-Leads, Body 1.00x0.50mm, IPC Low Density"
  rrect25% 0.6x0.65 smd paste-0.3 mask+0.05: 1(-0.525,0) 2(0.525,0)
RESC1005N [mm] "Chip Resistor, 2-Leads, Body 1.00x0.50mm, IPC Medium Density"
  rrect25% 0.5x0.55 smd paste-0.25 mask+0.05: 1(-0.475,0) 2(0.475,0)
RESC1005X035L [mm] "Chip Resistor, 2-Leads, Body 1.00x0.50mm, IPC High Density"
  rrect25% 0.4x0.45 smd mask+0.05: 1(-0.425,0) 2(0.425,0)
  body extent -0.5,-0.25 0.5,0.25, height 0.35
RESC1005X035M [mm] "Chip Resistor, 2-Leads, Body 1.00x0.50mm, IPC Low Density"
  rrect25% 0.6x0.65 smd mask+0.05: 1(-0.525,0) 2(0.525,0)
  body extent -0.5,-0.25 0.5,0.25, height 0.35
RESC1005X035N [mm] "Chip Resistor, 2-Leads, Body 1.00x0.50mm, IPC Medium Density"
  rrect25% 0.5x0.55 smd mask+0.05: 1(-0.475,0) 2(0.475,0)
  body extent -0.5,-0.25 0.5,0.25, height 0.35
RESC1608L [mm] "Chip Resistor, 2-Leads, Body 1.60x0.80mm, IPC High Density"
  rrect25% 0.5x0.75 smd paste-0.25 mask+0.05: 1(-0.725,0) 2(0.725,0)
RESC1608M [mm] "Chip Resistor, 2-Leads, Body 1.60x0.80mm, IPC Low Density"
  rrect25% 0.9x0.95 smd paste-0.45 mask+0.05: 1(-0.925,0) 2(0.925,0)
RESC1608N [mm] "Chip Resistor, 2-Leads, Body 1.60x0.80mm, IPC Medium Density"
  rrect25% 0.7x0.85 smd paste-0.35 mask+0.05: 1(-0.825,0) 2(0.825,0)
RESC1608X045L [mm] "Chip Resistor, 2-Leads, Body 1.60x0.80mm, IPC High Density"
  rrect25% 0.5x0.75 smd mask+0.05: 1(-0.725,0) 2(0.725,0)
  body extent -0.8,-0.4 0.8,0.4, height 0.45
RESC1608X045M [mm] "Chip Resistor, 2-Leads, Body 1.60x0.80mm, IPC Low Density"
  rrect25% 0.9x0.95 smd mask+0.05: 1(-0.925,0) 2(0.925,0)
  body extent -0.8,-0.4 0.8,0.4, height 0.45
RESC1608X045N [mm] "Chip Resistor, 2-Leads, Body 1.60x0.80mm, IPC Medium Density"
  rrect25% 0.7x0.85 smd mask+0.05: 1(-0.825,0) 2(0.825,0)
  body extent -0.8,-0.4 0.8,0.4, height 0.45
RESC2012L [mm] "Chip Resistor, 2-Leads, Body 2.00x1.20mm, IPC High Density"
  rrect25% 0.6x1.15 smd paste-0.3 mask+0.05: 1(-0.875,0) 2(0.875,0)
RESC2012M [mm] "Chip Resistor, 2-Leads, Body 2.00x1.20mm, IPC Low Density"
  rrect25% 1x1.35 smd paste-0.5 mask+0.05: 1(-1.075,0) 2(1.075,0)
RESC2012N [mm] "Chip Resistor, 2-Leads, Body 2.00x1.20mm, IPC Medium Density"
  rrect25% 0.8x1.25 smd paste-0.4 mask+0.05: 1(-0.975,0) 2(0.975,0)
RESC2012X06L [mm] "Chip Resistor, 2-Leads, Body 2.00x1.20mm, IPC High Density"
  rrect25% 0.6x1.15 smd mask+0.05: 1(-0.875,0) 2(0.875,0)
  body extent -1,-0.6 1,0.6, height 0.6
RESC2012X06M [mm] "Chip Resistor, 2-Leads, Body 2.00x1.20mm, IPC Low Density"
  rrect25% 1x1.35 smd mask+0.05: 1(-1.075,0) 2(1.075,0)
  body extent -1,-0.6 1,0.6, height 0.6
RESC2012X06N [mm] "Chip Resistor, 2-Leads, Body 2.00x1.20mm, IPC Medium Density"
  rrect25% 0.8x1.25 smd mask+0.05: 1(-0.975,0) 2(0.975,0)
  body extent -1,-0.6 1,0.6, height 0.6
RESC3216L [mm] "Chip Resistor, 2-Leads, Body 3.20x1.60mm, IPC High Density"
  rrect25% 0.7x1.55 smd paste-0.35 mask+0.05: 1(-1.425,0) 2(1.425,0)
RESC3216M [mm] "Chip Resistor, 2-Leads, Body 3.20x1.60mm, IPC Low Density"
  rrect25% 1.1x1.75 smd paste-0.55 mask+0.05: 1(-1.625,0) 2(1.625,0)
RESC3216N [mm] "Chip Resistor, 2-Leads, Body 3.20x1.60mm, IPC Medium Density"
  rrect25% 0.9x1.65 smd paste-0.45 mask+0.05: 1(-1.525,0) 2(1.525,0)
RESC3216X06L [mm] "Chip Resistor, 2-Leads, Body 3.20x1.60mm, IPC High Density"
  rrect25% 0.7x1.55 smd mask+0.05: 1(-1.425,0) 2(1.425,0)
  body extent -1.6,-0.8 1.6,0.8, height 0.6
RESC3216X06M [mm] "Chip Resistor, 2-Leads, Body 3.20x1.60mm, IPC Low Density"
  rrect25% 1.1x1.75 smd mask+0.05: 1(-1.625,0) 2(1.625,0)
  body extent -1.6,-0.8 1.6,0.8, height 0.6
RESC3216X06N [mm] "Chip Resistor, 2-Leads, Body 3.20x1.60mm, IPC Medium Density"
  rrect25% 0.9x1.65 smd mask+0.05: 1(-1.525,0) 2(1.525,0)
  body extent -1.6,-0.8 1.6,0.8, height 0.6
RESC3225L [mm] "Chip Resistor, 2-Leads, Body 3.20x2.50mm, IPC High Density"
  rrect25% 0.7x2.45 smd paste-0.35 mask+0.05: 1(-1.425,0) 2(1.425,0)
RESC3225M [mm] "Chip Resistor, 2-Leads, Body 3.20x2.50mm, IPC Low Density"
  rrect25% 1.1x2.65 smd paste-0.55 mask+0.05: 1(-1.625,0) 2(1.625,0)
RESC3225N [mm] "Chip Resistor, 2-Leads, Body 3.20x2.50mm, IPC Medium Density"
  rrect25% 0.9x2.55 smd paste-0.45 mask+0.05: 1(-1.525,0) 2(1.525,0)
RESC3225X06L [mm] "Chip Resistor, 2-Leads, Body 3.20x2.50mm, IPC High Density"
  rrect25% 0.7x2.45 smd mask+0.05: 1(-1.425,0) 2(1.425,0)
  body extent -1.6,-1.25 1.6,1.25, height 0.6
RESC3225X06M [mm] "Chip Resistor, 2-Leads, Body 3.20x2.50mm, IPC Low Density"
  rrect25% 1.1x2.65 smd mask+0.05: 1(-1.625,0) 2(1.625,0)
  body extent -1.6,-1.25 1.6,1.25, height 0.6
RESC3225X06N [mm] "Chip Resistor, 2-Leads, Body 3.20x2.50mm, IPC Medium Density"
  rrect25% 0.9x2.55 smd mask+0.05: 1(-1.525,0) 2(1.525,0)
  body extent -1.6,-1.25 1.6,1.25, height 0.6